# Altium PCB Minion_Rev2.PcbDoc (part 10 of 11) (continued)
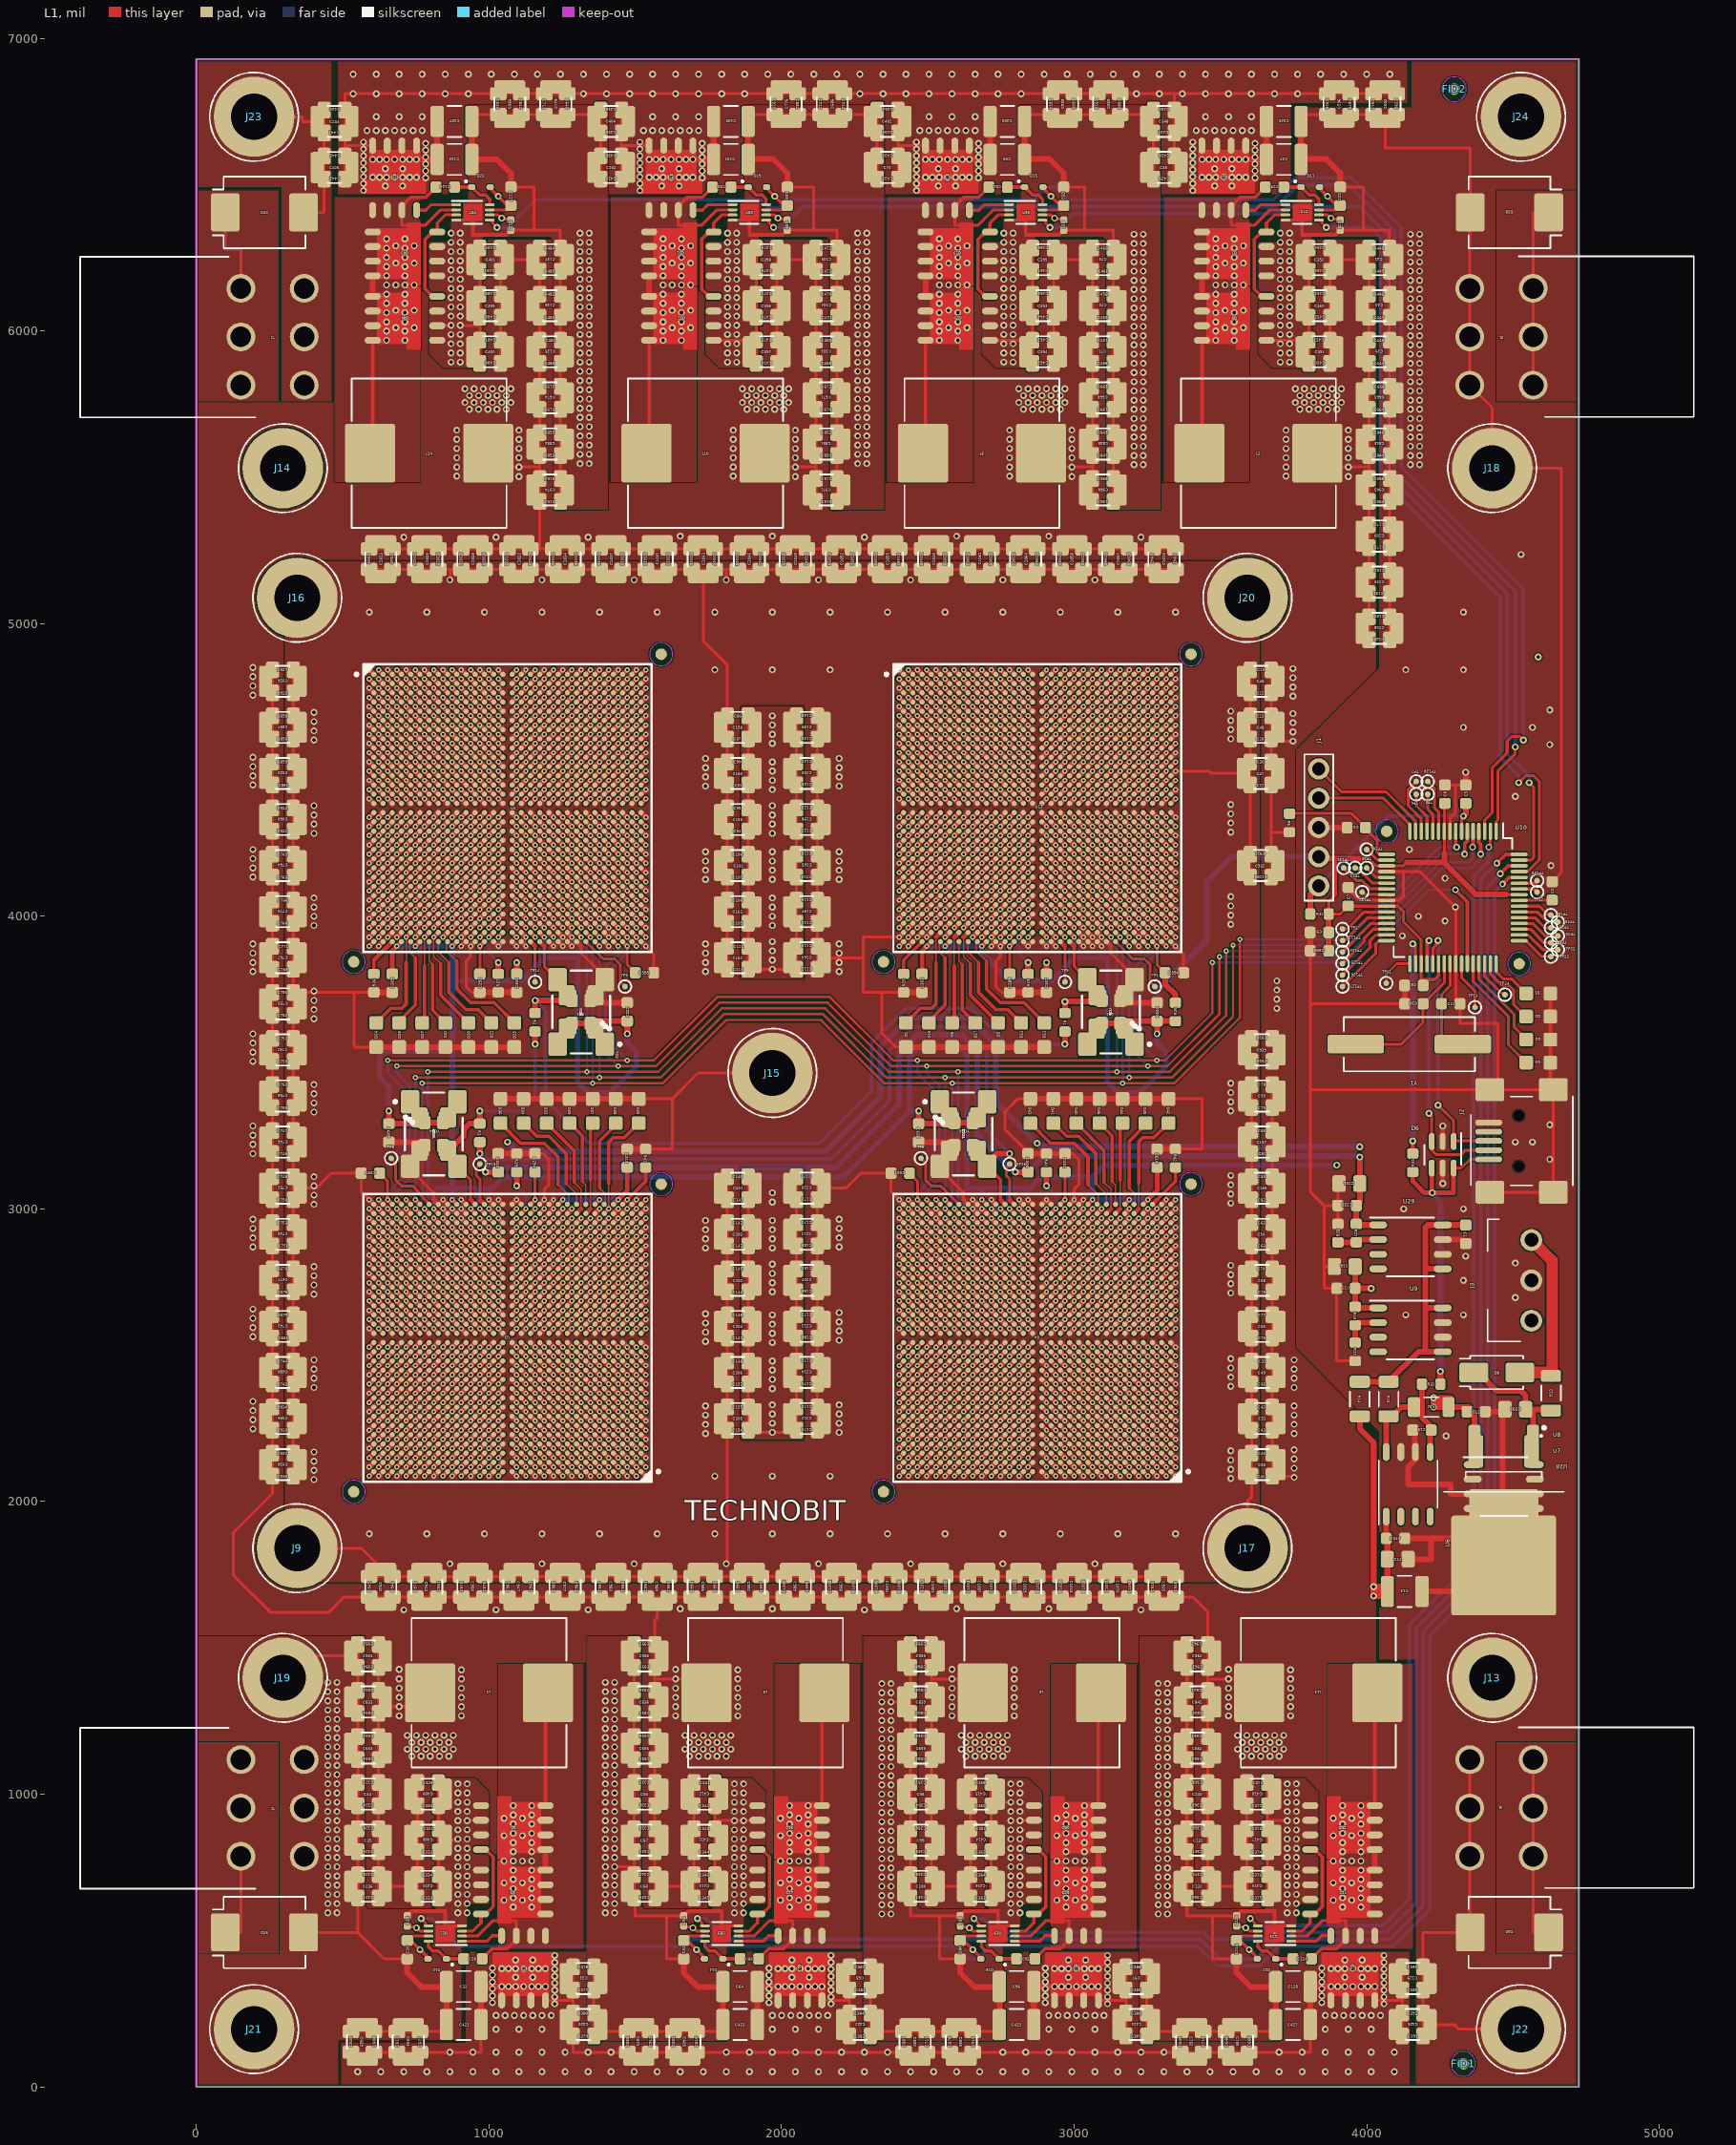
[diagram p0: L1 view]
## Nets (pads, with @x,y where several pads share a name; then routed paths per layer and width w, separated by ;. In a path a pad name is that pad's centre, name@x,y a point inside that pad or via, vN(x,y) a via of type N, cw(c..) or ccw(c..) an arc to the next point about the centre after c; other vN are vias at no path point) (continued)
v1(3094.49,4748.03) ; U13.B22@3078.74,4795.28 v1(3094.49,4811.02) ; U4.B8@3110.24,2133.86 v1(3125.98,2118.11) ; U4.D8@3110.24,2196.85 v1(3125.98,2181.1) ; U4.F8@3110.24,2259.84 v1(3125.98,2244.09) ; U4.H8@3110.24,2322.83 v1(3125.98,2307.09) ; U4.K8@3110.24,2385.83 v1(3125.98,2370.08) ; U4.M8@3110.24,2448.82 v1(3125.98,2433.07) ; U4.P8@3110.24,2511.81 v1(3125.98,2496.06) ; U4.T8@3110.24,2574.8 v1(3125.98,2590.55) ; U4.V8@3110.24,2637.8 v1(3125.98,2653.54) ; U4.Y8@3110.24,2700.79 v1(3125.98,2716.54) ; U4.AB8@3110.24,2763.78 v1(3125.98,2779.53) ; U4.AD8@3110.24,2826.77 v1(3125.98,2842.52) ; U4.AF8@3110.24,2889.76 v1(3125.98,2905.51) ; U4.AH8@3110.24,2952.76 v1(3125.98,2968.5) ; U13.AK23@3110.24,3913.39 3125.98,3897.64 ; U13.AG23@3110.24,4007.87 v1(3125.98,3992.13) ; U13.AE23@3110.24,4070.87 v1(3125.98,4055.12) ; U13.AC23@3110.24,4133.86 v1(3125.98,4118.11) ; U13.AA23@3110.24,4196.85 v1(3125.98,4181.1) ; U13.W23@3110.24,4259.84 v1(3125.98,4244.09) ; U13.U23@3110.24,4322.83 v1(3125.98,4307.09) ; U13.R23@3110.24,4385.83 v1(3125.98,4401.57) ; U13.N23@3110.24,4448.82 v1(3125.98,4464.57) ; U13.L23@3110.24,4511.81 v1(3125.98,4527.56) ; U13.J23@3110.24,4574.8 v1(3125.98,4590.55) ; U13.G23@3110.24,4637.8 v1(3125.98,4653.54) ; U13.E23@3110.24,4700.79 v1(3125.98,4716.54) ; U13.C23@3110.24,4763.78 v1(3125.98,4779.53) ; U13.A23@3110.24,4826.77 v1(3125.98,4842.52) ; U4.A7@3141.73,2102.36 v1(3157.48,2086.61) ; U4.C7@3141.73,2165.35 v1(3157.48,2149.61) ; U4.E7@3141.73,2228.35 v1(3157.48,2212.6) ; U4.G7@3141.73,2291.34 v1(3157.48,2275.59) ; U4.J7@3141.73,2354.33 v1(3157.48,2338.58) ; U4.L7@3141.73,2417.32 v1(3157.48,2401.57) ; U4.N7@3141.73,2480.31 v1(3157.48,2464.57) ; U4.R7@3141.73,2543.31 v1(3157.48,2527.56) ; U4.U7@3141.73,2606.3 v1(3157.48,2622.05) ; U4.W7@3141.73,2669.29 v1(3157.48,2685.04) ; U4.AA7@3141.73,2732.28 v1(3157.48,2748.03) ; U4.AC7@3141.73,2795.28 v1(3157.48,2811.02) ; U4.AE7@3141.73,2858.27 v1(3157.48,2874.02) ; U4.AG7@3141.73,2921.26 v1(3157.48,2937.01) ; U13.AH24@3141.73,3976.38 v1(3157.48,3960.63) ; U13.AF24@3141.73,4039.37 v1(3157.48,4023.62) ; U13.AD24@3141.73,4102.36 v1(3157.48,4086.61) ; U13.AB24@3141.73,4165.35 v1(3157.48,4149.61) ; U13.Y24@3141.73,4228.35 v1(3157.48,4212.6) ; U13.V24@3141.73,4291.34 v1(3157.48,4275.59) ; U13.T24@3141.73,4354.33 v1(3157.48,4338.58) ; U13.P24@3141.73,4417.32 v1(3157.48,4433.07) ; U13.M24@3141.73,4480.31 v1(3157.48,4496.06) ; U13.K24@3141.73,4543.31 v1(3157.48,4559.06) ; U13.H24@3141.73,4606.3 v1(3157.48,4622.05) ; U13.F24@3141.73,4669.29 v1(3157.48,4685.04) ; U13.D24@3141.73,4732.28 v1(3157.48,4748.03) ; U13.B24@3141.73,4795.28 v1(3157.48,4811.02) ; U4.B6@3173.23,2133.86 v1(3188.98,2118.11) ; U4.D6@3173.23,2196.85 v1(3188.98,2181.1) ; U4.F6@3173.23,2259.84 v1(3188.98,2244.09) ; U4.H6@3173.23,2322.83 v1(3188.98,2307.09) ; U4.K6@3173.23,2385.83 v1(3188.98,2370.08) ; U4.M6@3173.23,2448.82 v1(3188.98,2433.07) ; U4.P6@3173.23,2511.81 v1(3188.98,2496.06) ; U4.T6@3173.23,2574.8 v1(3188.98,2590.55) ; U4.V6@3173.23,2637.8 v1(3188.98,2653.54) ; U4.Y6@3173.23,2700.79 v1(3188.98,2716.54) ; U4.AB6@3173.23,2763.78 v1(3188.98,2779.53) ; U4.AD6@3173.23,2826.77 v1(3188.98,2842.52) ; U4.AF6@3173.23,2889.76 v1(3188.98,2905.51) ; U4.AH6@3173.23,2952.76 v1(3188.98,2968.5) ; U4.AJ6@3173.23,2984.25 v1(3188.98,3000) ; U13.AG25@3173.23,4007.87 v1(3188.98,3992.13) ; U13.AE25@3173.23,4070.87 v1(3188.98,4055.12) ; U13.AC25@3173.23,4133.86 v1(3188.98,4118.11) ; U13.AA25@3173.23,4196.85 v1(3188.98,4181.1) ; U13.W25@3173.23,4259.84 v1(3188.98,4244.09) ; U13.U25@3173.23,4322.83 v1(3188.98,4307.09) ; U13.R25@3173.23,4385.83 v1(3188.98,4401.57) ; U13.N25@3173.23,4448.82 v1(3188.98,4464.57) ; U13.L25@3173.23,4511.81 v1(3188.98,4527.56) ; U13.J25@3173.23,4574.8 v1(3188.98,4590.55) ; U13.G25@3173.23,4637.8 v1(3188.98,4653.54) ; U13.E25@3173.23,4700.79 v1(3188.98,4716.54) ; U13.C25@3173.23,4763.78 v1(3188.98,4779.53) ; U13.A25@3173.23,4826.77 v1(3188.98,4842.52) ; U4.A5@3204.72,2102.36 v1(3220.47,2086.61) ; U4.C5@3204.72,2165.35 v1(3220.47,2149.61) ; U4.E5@3204.72,2228.35 v1(3220.47,2212.6) ; U4.G5@3204.72,2291.34 v1(3220.47,2275.59) ; U4.J5@3204.72,2354.33 v1(3220.47,2338.58) ; U4.L5@3204.72,2417.32 v1(3220.47,2401.57) ; U4.N5@3204.72,2480.31 v1(3220.47,2464.57) ; U4.R5@3204.72,2543.31 v1(3220.47,2527.56) ; U4.U5@3204.72,2606.3 v1(3220.47,2622.05) ; U4.W5@3204.72,2669.29 v1(3220.47,2685.04) ; U4.AA5@3204.72,2732.28 v1(3220.47,2748.03) ; U4.AC5@3204.72,2795.28 v1(3220.47,2811.02) ; U4.AE5@3204.72,2858.27 v1(3220.47,2874.02) ; U4.AG5@3204.72,2921.26 v1(3220.47,2937.01) ; U13.AJ26@3204.72,3944.88 v1(3220.47,3929.13) ; U13.AH26@3204.72,3976.38 v1(3220.47,3960.63) ; U13.AF26@3204.72,4039.37 v1(3220.47,4023.62) ; U13.AD26@3204.72,4102.36 v1(3220.47,4086.61) ; U13.AB26@3204.72,4165.35 v1(3220.47,4149.61) ; U13.Y26@3204.72,4228.35 v1(3220.47,4212.6) ; U13.V26@3204.72,4291.34 v1(3220.47,4275.59) ; U13.T26@3204.72,4354.33 v1(3220.47,4338.58) ; U13.P26@3204.72,4417.32 v1(3220.47,4433.07) ; U13.M26@3204.72,4480.31 v1(3220.47,4496.06) ; U13.K26@3204.72,4543.31 v1(3220.47,4559.06) ; U13.H26@3204.72,4606.3 v1(3220.47,4622.05) ; U13.F26@3204.72,4669.29 v1(3220.47,4685.04) ; U13.D26@3204.72,4732.28 v1(3220.47,4748.03) ; U13.B26@3204.72,4795.28 v1(3220.47,4811.02) ; U4.B4@3236.22,2133.86 v1(3251.97,2118.11) ; U4.D4@3236.22,2196.85 v1(3251.97,2181.1) ; U4.F4@3236.22,2259.84 v1(3251.97,2244.09) ; U4.H4@3236.22,2322.83 v1(3251.97,2307.09) ; U4.K4@3236.22,2385.83 v1(3251.97,2370.08) ; U4.M4@3236.22,2448.82 v1(3251.97,2433.07) ; U4.P4@3236.22,2511.81 v1(3251.97,2496.06) ; U4.T4@3236.22,2574.8 v1(3251.97,2590.55) ; U4.V4@3236.22,2637.8 v1(3251.97,2653.54) ; U4.Y4@3236.22,2700.79 v1(3251.97,2716.54) ; U4.AB4@3236.22,2763.78 v1(3251.97,2779.53) ; U4.AD4@3236.22,2826.77 v1(3251.97,2842.52) ; U4.AF4@3236.22,2889.76 v1(3251.97,2905.51) ; U4.AH4@3236.22,2952.76 v1(3251.97,2968.5) ; U4.AJ4@3236.22,2984.25 v1(3251.97,3000) ; U13.AJ27@3236.22,3944.88 v1(3251.97,3929.13) ; U13.AG27@3236.22,4007.87 v1(3251.97,3992.13) ; U13.AE27@3236.22,4070.87 v1(3251.97,4055.12) ; U13.AC27@3236.22,4133.86 v1(3251.97,4118.11) ; U13.AA27@3236.22,4196.85 v1(3251.97,4181.1) ; U13.W27@3236.22,4259.84 v1(3251.97,4244.09) ; U13.U27@3236.22,4322.83 v1(3251.97,4307.09) ; U13.R27@3236.22,4385.83 v1(3251.97,4401.57) ; U13.N27@3236.22,4448.82 v1(3251.97,4464.57) ; U13.L27@3236.22,4511.81 v1(3251.97,4527.56) ; U13.J27@3236.22,4574.8 v1(3251.97,4590.55) ; U13.G27@3236.22,4637.8 v1(3251.97,4653.54) ; U13.E27@3236.22,4700.79 v1(3251.97,4716.54) ; U13.C27@3236.22,4763.78 v1(3251.97,4779.53) ; U13.A27@3236.22,4826.77 v1(3251.97,4842.52) ; U4.A3@3267.72,2102.36 v1(3283.46,2086.61) ; U4.C3@3267.72,2165.35 v1(3283.46,2149.61) ; U4.E3@3267.72,2228.35 v1(3283.46,2212.6) ; U4.G3@3267.72,2291.34 v1(3283.46,2275.59) ; U4.J3@3267.72,2354.33 v1(3283.46,2338.58) ; U4.L3@3267.72,2417.32 v1(3283.46,2401.57) ; U4.N3@3267.72,2480.31 v1(3283.46,2464.57) ; U4.R3@3267.72,2543.31 v1(3283.46,2527.56) ; U4.U3@3267.72,2606.3 v1(3283.46,2622.05) ; U4.W3@3267.72,2669.29 v1(3283.46,2685.04) ; U4.AA3@3267.72,2732.28 v1(3283.46,2748.03) ; U4.AC3@3267.72,2795.28 v1(3283.46,2811.02) ; U4.AE3@3267.72,2858.27 v1(3283.46,2874.02) ; U4.AG3@3267.72,2921.26 v1(3283.46,2937.01) ; U4.AJ3@3267.72,2984.25 v1(3283.46,3000) ; U13.AH28@3267.72,3976.38 v1(3283.46,3960.63) ; U13.AF28@3267.72,4039.37 v1(3283.46,4023.62) ; U13.AD28@3267.72,4102.36 v1(3283.46,4086.61) ; U13.AB28@3267.72,4165.35 v1(3283.46,4149.61) ; U13.Y28@3267.72,4228.35 v1(3283.46,4212.6) ; U13.V28@3267.72,4291.34 v1(3283.46,4275.59) ; U13.T28@3267.72,4354.33 v1(3283.46,4338.58) ; U13.P28@3267.72,4417.32 v1(3283.46,4433.07) ; U13.M28@3267.72,4480.31 v1(3283.46,4496.06) ; U13.K28@3267.72,4543.31 v1(3283.46,4559.06) ; U13.H28@3267.72,4606.3 v1(3283.46,4622.05) ; U13.F28@3267.72,4669.29 v1(3283.46,4685.04) ; U13.D28@3267.72,4732.28 v1(3283.46,4748.03) ; U13.B28@3267.72,4795.28 v1(3283.46,4811.02) ; U4.B2@3299.21,2133.86 v1(3314.96,2118.11) ; U4.D2@3299.21,2196.85 v1(3314.96,2181.1) ; U4.F2@3299.21,2259.84 v1(3314.96,2244.09) ; U4.H2@3299.21,2322.83 v1(3314.96,2307.09) ; U4.K2@3299.21,2385.83 v1(3314.96,2370.08) ; U4.M2@3299.21,2448.82 v1(3314.96,2433.07) ; U4.P2@3299.21,2511.81 v1(3314.96,2496.06) ; U4.T2@3299.21,2574.8 v1(3314.96,2590.55) ; U4.V2@3299.21,2637.8 v1(3314.96,2653.54) ; U4.Y2@3299.21,2700.79 v1(3314.96,2716.54) ; U4.AB2@3299.21,2763.78 v1(3314.96,2779.53) ; U4.AD2@3299.21,2826.77 v1(3314.96,2842.52) ; U4.AF2@3299.21,2889.76 v1(3314.96,2905.51) ; U4.AH2@3299.21,2952.76 v1(3314.96,2968.5) ; U4.AK2@3299.21,3015.75 v1(3314.96,3031.5) ; U13.AJ29@3299.21,3944.88 v1(3314.96,3929.13) ; U13.AG29@3299.21,4007.87 v1(3314.96,3992.13) ; U13.AE29@3299.21,4070.87 v1(3314.96,4055.12) ; U13.AC29@3299.21,4133.86 v1(3314.96,4118.11) ; U13.AA29@3299.21,4196.85 v1(3314.96,4181.1) ; U13.W29@3299.21,4259.84 v1(3314.96,4244.09) ; U13.U29@3299.21,4322.83 v1(3314.96,4307.09) ; U13.R29@3299.21,4385.83 v1(3314.96,4401.57) ; U13.N29@3299.21,4448.82 v1(3314.96,4464.57) ; U13.L29@3299.21,4511.81 v1(3314.96,4527.56) ; U13.J29@3299.21,4574.8 v1(3314.96,4590.55) ; U13.G29@3299.21,4637.8 v1(3314.96,4653.54) ; U13.E29@3299.21,4700.79 v1(3314.96,4716.54) ; U13.C29@3299.21,4763.78 v1(3314.96,4779.53) ; U13.A29@3299.21,4826.77 v1(3314.96,4842.52) ; U4.A1@3330.71,2102.36 v1(3346.46,2086.61) ; U4.C1@3330.71,2165.35 v1(3346.46,2149.61) ; U4.E1@3330.71,2228.35 v1(3346.46,2212.6) ; U4.G1@3330.71,2291.34 v1(3346.46,2275.59) ; U4.J1@3330.71,2354.33 v1(3346.46,2338.58) ; U4.L1@3330.71,2417.32 v1(3346.46,2401.57) ; U4.N1@3330.71,2480.31 v1(3346.46,2464.57) ; U4.R1@3330.71,2543.31 v1(3346.46,2527.56) ; U4.U1@3330.71,2606.3 v1(3346.46,2622.05) ; U4.W1@3330.71,2669.29 v1(3346.46,2685.04) ; U4.AA1@3330.71,2732.28 v1(3346.46,2748.03) ; U4.AC1@3330.71,2795.28 v1(3346.46,2811.02) ; U4.AE1@3330.71,2858.27 v1(3346.46,2874.02) ; U4.AG1@3330.71,2921.26 v1(3346.46,2937.01) ; U4.AJ1@3330.71,2984.25 v1(3346.46,3000) ; U13.AK30@3330.71,3913.39 v1(3346.46,3897.64) ; U13.AH30@3330.71,3976.38 v1(3346.46,3960.63) ; U13.AF30@3330.71,4039.37 v1(3346.46,4023.62) ; U13.AD30@3330.71,4102.36 v1(3346.46,4086.61) ; U13.AB30@3330.71,4165.35 v1(3346.46,4149.61) ; U13.Y30@3330.71,4228.35 v1(3346.46,4212.6) ; U13.V30@3330.71,4291.34 v1(3346.46,4275.59) ; U13.T30@3330.71,4354.33 v1(3346.46,4338.58) ; U13.P30@3330.71,4417.32 v1(3346.46,4433.07) ; U13.M30@3330.71,4480.31 v1(3346.46,4496.06) ; U13.K30@3330.71,4543.31 v1(3346.46,4559.06) ; U13.H30@3330.71,4606.3 v1(3346.46,4622.05) ; U13.F30@3330.71,4669.29 v1(3346.46,4685.04) ; U13.D30@3330.71,4732.28 v1(3346.46,4748.03) ; U13.B30@3330.71,4795.28 v1(3346.46,4811.02) ; v2(4259.84,3086.61) D6.5@4259.84,3139.76 ; D6.2@4259.84,3230.32 v2(4259.84,3283.46)
  L1 w19.68: R38.1@606.3,3740.16 C309.1@669.29,3740.16 ; D24.1@614.17,3553.15 D29.1@692.91,3553.15 D27.1@771.65,3553.15 D31.1@850.39,3553.15 D20.1@929.13,3553.15 D21.1@1007.87,3553.15 D25.1@1086.61,3553.15 ; C609.2@657.48,3228.35 YO9.2@761.81,3228.35 ; C20.1@720.47,437.01 720.47,389.76 769.33,340.91 C32.1@855.17,340.91 ; YO14.2@731.3,3134.84 730.31,3135.83 YO14.2@730.31,3145.67 761.81,3177.17 YO13.2@761.81,3198.82 761.81,3216.54 YO9.2@761.81,3228.35 ; YO10.2@771.65,3206.69 YO9.2@771.65,3228.35 ; YO9.2@779.53,3216.54 779.53,3228.35 YO9.2@771.65,3228.35 ; C421.1@854.33,212.6 855.17,213.44 C32.1@855.17,340.91 ; C32.1@854.33,342.52 C32.1@855.17,340.91 ; C407.1@940.94,6716.54 C133.1@940.94,6586.61 1027.56,6586.61 1074.8,6539.37 C117.1@1074.8,6492.13 ; C293.1@968.5,3740.16 R37.1@1031.5,3740.16 C305.1@1094.49,3740.16 ; C304.1@1031.5,3188.98 R39.1@1094.49,3188.98 C294.1@1157.48,3188.98 ; D36.1@1039.37,3375.98 D34.1@1118.11,3375.98 D33.1@1196.85,3375.98 D39.1@1275.59,3375.98 D37.1@1354.33,3375.98 D38.1@1433.07,3375.98 D35.1@1511.81,3375.98 ; YO8.2@1394.68,3794.29 1395.67,3793.31 YO8.2@1395.67,3783.46 1395.67,3761.81 YO3.2@1364.17,3730.32 1356.3,3722.44 YO2.2@1354.33,3722.44 1354.33,3720.47 YO1.2@1346.46,3712.6 1346.46,3704.72 C322.2@1472.44,3704.72 ; C315.1@1472.44,3204.72 R41.1@1535.43,3204.72 ; C52.1@1665.35,437.01 1665.35,389.76 1714.21,340.91 C64.1@1800.05,340.91 ; C423.1@1799.21,212.6 1800.05,213.44 C64.1@1800.05,340.91 ; C64.1@1799.21,342.52 C64.1@1800.05,340.91 ; C101.1@1885.83,6586.61 C101.1@1884.98,6588.23 ; C405.1@1885.83,6716.54 1884.98,6715.69 C101.1@1884.98,6588.23 ; C85.1@2019.68,6492.13 2019.68,6539.37 1970.83,6588.23 C101.1@1884.98,6588.23 ; R25.1@2417.32,3740.16 C303.1@2480.31,3740.16 ; D7.1@2425.2,3553.15 D16.1@2503.94,3553.15 D9.1@2582.68,3553.15 D17.1@2661.42,3553.15 D5.1@2740.16,3553.15 D12.1@2818.9,3553.15 D13.1@2897.64,3553.15 ; C610.2@2468.5,3228.35 2580.71,3228.35 YO11.2@2580.71,3206.69 ; YO16.2@2541.34,3145.67 2541.34,3135.83 2542.32,3134.84 2542.32,3168.31 YO15.2@2572.83,3198.82 YO11.2@2580.71,3206.69 ; YO12.2@2582.68,3206.69 YO11.2@2580.71,3206.69 ; YO11.2@2590.55,3216.54 2581.69,3207.68 YO11.2@2580.71,3206.69 ; C84.1@2610.24,437.01 2610.24,389.76 2659.09,340.91 C96.1@2744.94,340.91 ; C425.1@2744.09,212.6 2744.94,213.44 C96.1@2744.94,340.91 ; C96.1@2744.09,342.52 C96.1@2744.94,340.91 ; C289.1@2779.53,3740.16 R19.1@2842.52,3740.16 C307.1@2905.51,3740.16 ; C69.1@2830.71,6586.61 C69.1@2829.87,6588.23 ; C403.1@2830.71,6716.54 2829.87,6715.69 C69.1@2829.87,6588.23 ; C306.1@2842.52,3188.98 R40.1@2905.51,3188.98 C291.1@2968.5,3188.98 ; D43.1@2850.39,3375.98 D41.1@2929.13,3375.98 D40.1@3007.87,3375.98 D46.1@3086.61,3375.98 D44.1@3165.35,3375.98 D45.1@3244.09,3375.98 D42.1@3322.83,3375.98 ; C53.1@2964.57,6492.13 2964.57,6539.37 2915.71,6588.23 C69.1@2829.87,6588.23 ; YO4.2@3157.48,3712.6 3157.48,3704.72 C604.2@3283.46,3704.72 ; C616.1@3283.46,3204.72 R42.1@3346.46,3204.72 ; C116.1@3555.12,437.01 3555.12,389.76 3603.98,340.91 C128.1@3689.82,340.91 ; C427.1@3688.98,212.6 3689.82,213.44 C128.1@3689.82,340.91 ; C128.1@3688.98,342.52 C128.1@3689.82,340.91 ; C37.1@3775.59,6586.61 C37.1@3774.75,6588.23 ; C349.1@3775.59,6716.54 3774.75,6715.69 C37.1@3774.75,6588.23 ; C608.2@3807.09,3881.89 C9.2@3807.09,3944.88 ; J1.3@3836.07,4303.53 3932.7,4303.53 C3.2@3933.07,4303.15 ; C21.1@3909.45,6492.13 3909.45,6539.37 3860.59,6588.23 C37.1@3774.75,6588.23 ; C347.2@4129.92,1874.02 4220.47,1874.02 ; C10.2@4129.92,3700.79 C6.2@4129.92,3763.78 ; C14.2@4141.73,1803.15 4220.47,1803.15 4220.47,1874.02 ; C15.2@4157.48,2244.09 4165.35,2236.22 4165.35,2141.73 4141.73,2118.11 4141.73,2059.06 4287.4,2059.06 4287.4,2026.18 U28.3@4362.2,2026.18 U8.4@4464.57,2026.18 ; C13.1@4188.98,1692.91 4468.5,1692.91 U7.4@4468.5,1781.5 ; U29.7@4259.84,2895.08 4325.39,2895.08 C1.2@4338.58,2881.89 ; C5.2@4338.58,4448.82 v2(4338.58,4492.13) ; C12.2@4405.51,2307.09 C592.2@4464.57,2307.09 ; C592.2@4472.44,2314.96 4464.57,2314.96 C592.2@4464.57,2307.09 ; YO9.2@761.81,3228.35 YO9.2@771.65,3228.35 ; 4220.47,1874.02 U7.4@4465.9,1874.02 ; U7.4@4464.57,1921.26 4464.57,1915.35 U7.4@4464.73,1915.35 ; U7.4@4464.57,1921.26 U8.4@4464.57,2026.18 ; U7.4@4464.57,1921.26 U7.4@4466.54,1919.29 ; U7.4@4464.57,1921.26 U7.4@4464.73,1915.35 ; U8.4@4464.57,2026.18 C592.2@4464.57,2307.09 ; U8.4@4464.57,2026.18 U7.4@4468.43,1917.4 ; U7.4@4464.73,1915.35 U8.4@4468.5,1915.35 ; U7.4@4464.73,1915.35 4464.74,1915.25 U7.4@4465.9,1874.02 ; U7.4@4465.9,1874.02 U7.4@4468.5,1874.02 ; U7.4@4465.9,1874.02 U7.4@4468.5,1781.5 ; U7.4@4466.54,1919.29 U8.4@4468.5,1915.35 ; U7.4@4466.54,1919.29 U7.4@4468.43,1917.4 ; U7.4@4468.43,1917.4 4468.5,1917.32 U8.4@4468.5,1915.35 ; U7.4@4468.43,1917.4 U8.4@4468.5,1915.35 ; U7.4@4468.5,1781.5 U7.4@4468.5,1874.02 ; U7.4@4468.5,1874.02 U8.4@4468.5,1915.35
  other v2: 2342.52,590.55 2374.02,590.55 3287.4,590.55 3318.9,590.55 448.82,594.49 480.31,594.49 893.7,594.49 925.2,594.49 1397.64,594.49 1429.13,594.49 1838.58,594.49 1870.08,594.49 2783.46,594.49 2814.96,594.49 3728.35,594.49 3759.84,594.49 2342.52,622.05 2374.02,622.05 3287.4,622.05 3318.9,622.05 448.82,625.98 480.31,625.98 893.7,625.98 925.2,625.98 1397.64,625.98 1429.13,625.98 1838.58,625.98 1870.08,625.98 2783.46,625.98 2814.96,625.98 3728.35,625.98 3759.84,625.98 2342.52,653.54 2374.02,653.54 3287.4,653.54 3318.9,653.54 448.82,657.48 480.31,657.48 893.7,657.48 925.2,657.48 1397.64,657.48 1429.13,657.48 1838.58,657.48 1870.08,657.48 2783.46,657.48 2814.96,657.48 3728.35,657.48 3759.84,657.48 2342.52,685.04 2374.02,685.04 3287.4,685.04 448.82,688.98 480.31,688.98 893.7,688.98 925.2,688.98 1397.64,688.98 1429.13,688.98 1838.58,688.98 1870.08,688.98 2783.46,688.98 2814.96,688.98 3728.35,688.98 3759.84,688.98 2342.52,716.54 2374.02,716.54 3287.4,716.54 3318.9,716.54 448.82,720.47 480.31,720.47 893.7,720.47 925.2,720.47 1397.64,720.47 1429.13,720.47 1838.58,720.47 1870.08,720.47 2783.46,720.47 2814.96,720.47 3728.35,720.47 3759.84,720.47 2342.52,748.03 2374.02,748.03 3287.4,748.03 3318.9,748.03 448.82,751.97 480.31,751.97 893.7,751.97 925.2,751.97 1397.64,751.97 1838.58,751.97 1870.08,751.97 2783.46,751.97 2814.96,751.97 3728.35,751.97 3759.84,751.97 2342.52,779.53 2374.02,779.53 3287.4,779.53 3318.9,779.53 448.82,783.46 480.31,783.46 893.7,783.46 925.2,783.46 1397.64,783.46 1429.13,783.46 1838.58,783.46 1870.08,783.46 2783.46,783.46 2814.96,783.46 3728.35,783.46 3759.84,783.46 2342.52,811.02 2374.02,811.02 3287.4,811.02 3318.9,811.02 448.82,814.96 480.31,814.96 893.7,814.96 925.2,814.96 1397.64,814.96 1429.13,814.96 1838.58,814.96 1870.08,814.96 2783.46,814.96 2814.96,814.96 3728.35,814.96 3759.84,814.96 2342.52,842.52 2374.02,842.52 3287.4,842.52 3318.9,842.52 448.82,846.46 480.31,846.46 925.2,846.46 1397.64,846.46 1429.13,846.46 1838.58,846.46 1870.08,846.46 2783.46,846.46 2814.96,846.46 3728.35,846.46 3759.84,846.46 2342.52,874.02 2374.02,874.02 3287.4,874.02 3318.9,874.02 448.82,877.95 480.31,877.95 893.7,877.95 925.2,877.95 1397.64,877.95 1429.13,877.95 1838.58,877.95 1870.08,877.95 2783.46,877.95 2814.96,877.95 3728.35,877.95 3759.84,877.95 2342.52,905.51 2374.02,905.51 3287.4,905.51 3318.9,905.51 448.82,909.45 480.31,909.45 893.7,909.45 1397.64,909.45 1429.13,909.45 2783.46,909.45 3759.84,909.45 2342.52,937.01 2374.02,937.01 3287.4,937.01 3318.9,937.01 448.82,940.94 480.31,940.94 893.7,940.94 925.2,940.94 1397.64,940.94 1429.13,940.94 1838.58,940.94 1870.08,940.94 2783.46,940.94 2814.96,940.94 3728.35,940.94 3759.84,940.94 2342.52,968.5 2374.02,968.5 3287.4,968.5 3318.9,968.5 448.82,972.44 480.31,972.44 893.7,972.44 925.2,972.44 1397.64,972.44 1429.13,972.44 1838.58,972.44 1870.08,972.44 2814.96,972.44 3728.35,972.44 3759.84,972.44 2342.52,1000 2374.02,1000 3287.4,1000 3318.9,1000 448.82,1003.94 480.31,1003.94 893.7,1003.94 925.2,1003.94 1397.64,1003.94 1429.13,1003.94 1838.58,1003.94 1870.08,1003.94 2783.46,1003.94 2814.96,1003.94 3728.35,1003.94 3759.84,1003.94 2342.52,1031.5 2374.02,1031.5 3287.4,1031.5 3318.9,1031.5 448.82,1035.43 480.31,1035.43 893.7,1035.43 925.2,1035.43 1397.64,1035.43 1429.13,1035.43 1838.58,1035.43 1870.08,1035.43 2783.46,1035.43 2814.96,1035.43 3728.35,1035.43 3759.84,1035.43 2342.52,1062.99 2374.02,1062.99 3287.4,1062.99 3318.9,1062.99 448.82,1066.93 480.31,1066.93 1397.64,1066.93 1429.13,1066.93 2342.52,1094.49 2374.02,1094.49 3287.4,1094.49 3318.9,1094.49 448.82,1098.43 480.31,1098.43 1397.64,1098.43 1429.13,1098.43 2342.52,1125.98 2374.02,1125.98 3287.4,1125.98 3318.9,1125.98 448.82,1129.92 480.31,1129.92 1397.64,1129.92 1429.13,1129.92 2342.52,1157.48 2374.02,1157.48 3287.4,1157.48 3318.9,1157.48 448.82,1161.42 480.31,1161.42 1397.64,1161.42 1429.13,1161.42 2342.52,1188.98 2374.02,1188.98 3287.4,1188.98 3318.9,1188.98 448.82,1192.91 480.31,1192.91 1397.64,1192.91 1429.13,1192.91 2342.52,1220.47 2374.02,1220.47 3287.4,1220.47 3318.9,1220.47 448.82,1224.41 480.31,1224.41 1397.64,1224.41 1429.13,1224.41 2342.52,1251.97 2374.02,1251.97 3287.4,1251.97 3318.9,1251.97 448.82,1255.91 480.31,1255.91 1397.64,1255.91 1429.13,1255.91 2342.52,1283.46 2374.02,1283.46 3287.4,1283.46 3318.9,1283.46 448.82,1287.4 480.31,1287.4 1397.64,1287.4 1429.13,1287.4 2342.52,1314.96 3287.4,1314.96 3318.9,1314.96 448.82,1318.9 480.31,1318.9 1397.64,1318.9 1429.13,1318.9 2342.52,1346.46 2374.02,1346.46 3287.4,1346.46 3318.9,1346.46 448.82,1350.39 480.31,1350.39 1397.64,1350.39 1429.13,1350.39 2342.52,1377.95 2374.02,1377.95 3287.4,1377.95 3318.9,1377.95 448.82,1381.89 480.31,1381.89 1397.64,1381.89 1429.13,1381.89 866.14,1787.4 1181.1,1787.4 1496.06,1787.4 2125.98,1787.4 2440.94,1787.4 2755.91,1787.4 3070.87,1787.4 590.55,1889.76 787.4,1889.76 984.25,1889.76 1181.1,1889.76 1377.95,1889.76 1574.8,1889.76 1771.65,1889.76 1968.5,1889.76 2165.35,1889.76 2362.2,1889.76 2559.06,1889.76 2755.91,1889.76 2952.76,1889.76 3149.61,1889.76 3346.46,1889.76 401.57,2074.8 3535.43,2078.74 1771.65,2086.61 1968.5,2086.61 2165.35,2086.61 401.57,2106.3 3535.43,2110.24 401.57,2137.8 3535.43,2141.73 401.57,2169.29 3535.43,2173.23 4271.65,2224.41 1740.16,2232.28 2196.85,2236.22 1740.16,2263.78 2196.85,2267.72 1740.16,2295.28 2196.85,2299.21 1740.16,2326.77 2196.85,2330.71 401.57,2389.76 3535.43,2393.7 401.57,2421.26 3535.43,2425.2 401.57,2452.76 3535.43,2456.69 401.57,2484.25 3535.43,2488.19 1740.16,2547.24 2196.85,2551.18 1740.16,2578.74 2196.85,2582.68 1740.16,2610.24 2196.85,2614.17 4133.86,2637.8 4330.71,2637.8 1740.16,2641.73 2196.85,2645.67 4507.87,2696.85 401.57,2708.66 3535.43,2712.6 401.57,2740.16 3535.43,2744.09 4330.71,2755.91 401.57,2771.65 3535.43,2775.59 401.57,2803.15 3535.43,2807.09 4507.87,2814.96 4338.58,2838.58 1740.16,2866.14 2196.85,2870.08 1740.16,2897.64 2196.85,2901.57 1740.16,2929.13 2196.85,2933.07 1740.16,2960.63 2196.85,2964.57 4125.98,3000 4330.71,3000 401.57,3015.75 3535.43,3019.69 401.57,3047.24 3535.43,3051.18 401.57,3078.74 3535.43,3082.68 401.57,3110.24 3535.43,3114.17 4625.98,3169.29 4507.87,3228.35 4566.93,3228.35 4625.98,3287.4 401.57,3330.71 3535.43,3334.65 401.57,3362.2 3535.43,3366.14 401.57,3393.7 3535.43,3397.64 401.57,3425.2 3535.43,3429.13 401.57,3649.61 401.57,3681.1 401.57,3712.6 401.57,3744.09 1740.16,3811.02 2196.85,3811.02 1740.16,3842.52 2196.85,3842.52 1740.16,3874.02 2196.85,3874.02 1740.16,3905.51 2196.85,3905.51 4122.05,3933.07 401.57,3968.5 3535.43,3972.44 4267.72,3984.25 401.57,4000 4177.17,4000 3535.43,4003.94 401.57,4031.5 3535.43,4035.43 401.57,4062.99 3535.43,4066.93 1740.16,4125.98 2196.85,4125.98 4267.72,4129.92 1740.16,4157.48 2196.85,4157.48 4629.92,4173.23 1740.16,4188.98 2196.85,4188.98 1740.16,4220.47 2196.85,4220.47 4145.67,4228.35 401.57,4283.46 3535.43,4287.4 401.57,4314.96 3535.43,4318.9 401.57,4346.46 3535.43,4350.39 401.57,4377.95 3535.43,4381.89 4507.87,4409.45 1740.16,4444.88 2196.85,4444.88 1740.16,4476.38 2196.85,4476.38 1740.16,4507.87 2196.85,4507.87 1740.16,4539.37 2196.85,4539.37 4625.98,4586.61 401.57,4602.36 3535.43,4606.3 401.57,4633.86 3535.43,4637.8 4330.71,4645.67 4566.93,4645.67 401.57,4665.35 3535.43,4669.29 401.57,4696.85 3535.43,4700.79 4625.98,4704.72 1771.65,4842.52 1968.5,4842.52 2165.35,4842.52 4133.86,4842.52 4330.71,4842.52 590.55,5039.37 787.4,5039.37 984.25,5039.37 1181.1,5039.37 1377.95,5039.37 1574.8,5039.37 1771.65,5039.37 1968.5,5039.37 2165.35,5039.37 2362.2,5039.37 2559.06,5039.37 2755.91,5039.37 2952.76,5039.37 3149.61,5039.37 3346.46,5039.37 4330.71,5039.37 1181.1,5149.61 1496.06,5149.61 2125.98,5149.61 2440.94,5149.61 2755.91,5149.61 3070.87,5149.61 4527.56,5236.22 3204.72,5543.31 3236.22,5543.31 4149.61,5543.31 4181.1,5543.31 1311.02,5547.24 1342.52,5547.24 2259.84,5547.24 2291.34,5547.24 3204.72,5574.8 3236.22,5574.8 4149.61,5574.8 4181.1,5574.8 1311.02,5578.74 1342.52,5578.74 2259.84,5578.74 2291.34,5578.74 3204.72,5606.3 3236.22,5606.3 4149.61,5606.3 4181.1,5606.3 1311.02,5610.24 1342.52,5610.24 2259.84,5610.24 2291.34,5610.24 3204.72,5637.8 3236.22,5637.8 4149.61,5637.8 4181.1,5637.8 1311.02,5641.73 1342.52,5641.73 2259.84,5641.73 2291.34,5641.73 3204.72,5669.29 3236.22,5669.29 4149.61,5669.29 4181.1,5669.29 1311.02,5673.23 1342.52,5673.23 2259.84,5673.23 2291.34,5673.23 3204.72,5700.79 3236.22,5700.79 4149.61,5700.79 4181.1,5700.79 1311.02,5704.72 1342.52,5704.72 2259.84,5704.72 2291.34,5704.72 3204.72,5732.28 3236.22,5732.28 4149.61,5732.28 4181.1,5732.28 1311.02,5736.22 1342.52,5736.22 2259.84,5736.22 2291.34,5736.22 3204.72,5763.78 3236.22,5763.78 4149.61,5763.78 4181.1,5763.78 1311.02,5767.72 1342.52,5767.72 2259.84,5767.72 2291.34,5767.72 3204.72,5795.28 3236.22,5795.28 4149.61,5795.28 4181.1,5795.28 1311.02,5799.21 1342.52,5799.21 2259.84,5799.21 2291.34,5799.21 3204.72,5826.77 3236.22,5826.77 4149.61,5826.77 4181.1,5826.77 1311.02,5830.71 1342.52,5830.71 2259.84,5830.71 2291.34,5830.71 3204.72,5858.27 3236.22,5858.27 4149.61,5858.27 4181.1,5858.27 1311.02,5862.2 1342.52,5862.2 2259.84,5862.2 2291.34,5862.2 3204.72,5889.76 3236.22,5889.76 4149.61,5889.76 4181.1,5889.76 870.08,5893.7 901.57,5893.7 1311.02,5893.7 1342.52,5893.7 1814.96,5893.7 1846.46,5893.7 2259.84,5893.7 2291.34,5893.7 2759.84,5893.7 2791.34,5893.7 3704.72,5893.7 3736.22,5893.7 3204.72,5921.26 3236.22,5921.26 4149.61,5921.26 4181.1,5921.26 870.08,5925.2 901.57,5925.2 1311.02,5925.2 1342.52,5925.2 1814.96,5925.2 1846.46,5925.2 2259.84,5925.2 2291.34,5925.2 2759.84,5925.2 2791.34,5925.2 3704.72,5925.2 3736.22,5925.2 3204.72,5952.76 3236.22,5952.76 4149.61,5952.76 4181.1,5952.76 870.08,5956.69 901.57,5956.69 1311.02,5956.69 1342.52,5956.69 1814.96,5956.69 1846.46,5956.69 2259.84,5956.69 2291.34,5956.69 2759.84,5956.69 2791.34,5956.69 3704.72,5956.69 3736.22,5956.69 3204.72,5984.25 3236.22,5984.25 4149.61,5984.25 4181.1,5984.25 870.08,5988.19 901.57,5988.19 1311.02,5988.19 1342.52,5988.19 1814.96,5988.19 1846.46,5988.19 2259.84,5988.19 2291.34,5988.19 2759.84,5988.19 2791.34,5988.19 3704.72,5988.19 3736.22,5988.19 3204.72,6015.75 3236.22,6015.75 4149.61,6015.75 4181.1,6015.75 1311.02,6019.69 1342.52,6019.69 1814.96,6019.69 1846.46,6019.69 2259.84,6019.69 2291.34,6019.69 2759.84,6019.69 2791.34,6019.69 3704.72,6019.69 3736.22,6019.69 3204.72,6047.24 3236.22,6047.24 4149.61,6047.24 4181.1,6047.24 870.08,6051.18 901.57,6051.18 1311.02,6051.18 1342.52,6051.18 1814.96,6051.18 1846.46,6051.18 2259.84,6051.18 2291.34,6051.18 2759.84,6051.18 2791.34,6051.18 3704.72,6051.18 3736.22,6051.18 3204.72,6078.74 3236.22,6078.74 4149.61,6078.74 4181.1,6078.74 870.08,6082.68 901.57,6082.68 1311.02,6082.68 1342.52,6082.68 1814.96,6082.68 1846.46,6082.68 2259.84,6082.68 2291.34,6082.68 2759.84,6082.68 2791.34,6082.68 3704.72,6082.68 3736.22,6082.68 3204.72,6110.24 3236.22,6110.24 4149.61,6110.24 4181.1,6110.24 870.08,6114.17 901.57,6114.17 1311.02,6114.17 1342.52,6114.17 1814.96,6114.17 1846.46,6114.17 2259.84,6114.17 2291.34,6114.17 2759.84,6114.17 2791.34,6114.17 3704.72,6114.17 3736.22,6114.17 3204.72,6141.73 3236.22,6141.73 4149.61,6141.73 4181.1,6141.73 870.08,6145.67 901.57,6145.67 1311.02,6145.67 1342.52,6145.67 1814.96,6145.67 1846.46,6145.67 2259.84,6145.67 2291.34,6145.67 2759.84,6145.67 2791.34,6145.67 3704.72,6145.67 3736.22,6145.67 3204.72,6173.23 3236.22,6173.23 4149.61,6173.23 4181.1,6173.23 870.08,6177.17 901.57,6177.17 1311.02,6177.17 1342.52,6177.17 1814.96,6177.17 1846.46,6177.17 2259.84,6177.17 2291.34,6177.17 2759.84,6177.17 2791.34,6177.17 3704.72,6177.17 3736.22,6177.17 3204.72,6204.72 3236.22,6204.72 4149.61,6204.72 4181.1,6204.72 870.08,6208.66 901.57,6208.66 1311.02,6208.66 1342.52,6208.66 1814.96,6208.66 1846.46,6208.66 2259.84,6208.66 2291.34,6208.66 2759.84,6208.66 2791.34,6208.66 3704.72,6208.66 3736.22,6208.66 3204.72,6236.22 3236.22,6236.22 4149.61,6236.22 4181.1,6236.22 870.08,6240.16 901.57,6240.16 1311.02,6240.16 1342.52,6240.16 1814.96,6240.16 1846.46,6240.16 2259.84,6240.16 2291.34,6240.16 2759.84,6240.16 2791.34,6240.16 3704.72,6240.16 3736.22,6240.16 3204.72,6267.72 3236.22,6267.72 4149.61,6267.72 4181.1,6267.72 870.08,6271.65 901.57,6271.65 1311.02,6271.65 1342.52,6271.65 1814.96,6271.65 1846.46,6271.65 2259.84,6271.65 2291.34,6271.65 2759.84,6271.65 2791.34,6271.65 3704.72,6271.65 3736.22,6271.65 3204.72,6299.21 3236.22,6299.21 4149.61,6299.21 4181.1,6299.21 870.08,6303.15 901.57,6303.15 1311.02,6303.15 1342.52,6303.15 1814.96,6303.15 1846.46,6303.15 2259.84,6303.15 2291.34,6303.15 2759.84,6303.15 2791.34,6303.15 3704.72,6303.15 3736.22,6303.15 3204.72,6330.71 3236.22,6330.71 4149.61,6330.71 4181.1,6330.71 870.08,6334.65 901.57,6334.65 1311.02,6334.65 1342.52,6334.65 1814.96,6334.65 1846.46,6334.65 2259.84,6334.65 2291.34,6334.65 2759.84,6334.65 2791.34,6334.65 3704.72,6334.65 3736.22,6334.65
GREEN: D2.2 U10.47 | length 246
  L1 w9.84: U10.47@4422.8,3837.79 4422.8,3803.15 4460.63,3765.32 4484.25,3765.32 4501.54,3748.03 4501.54,3699.24 4543.31,3657.48 D2.2@4545.28,3657.48
HO1: Q1.4 U11.1 | length 143.4
  L1 w9.84: U11.1@907.48,497.05 992.13,497.05 1010.83,515.75
  L1 w11.81: 1010.83,515.75 Q1.4@1043.13,515.75